# KiCad board 32.kicad_pcb
title: 32; date: 2022-01-06; rev: 0.1; company: <3
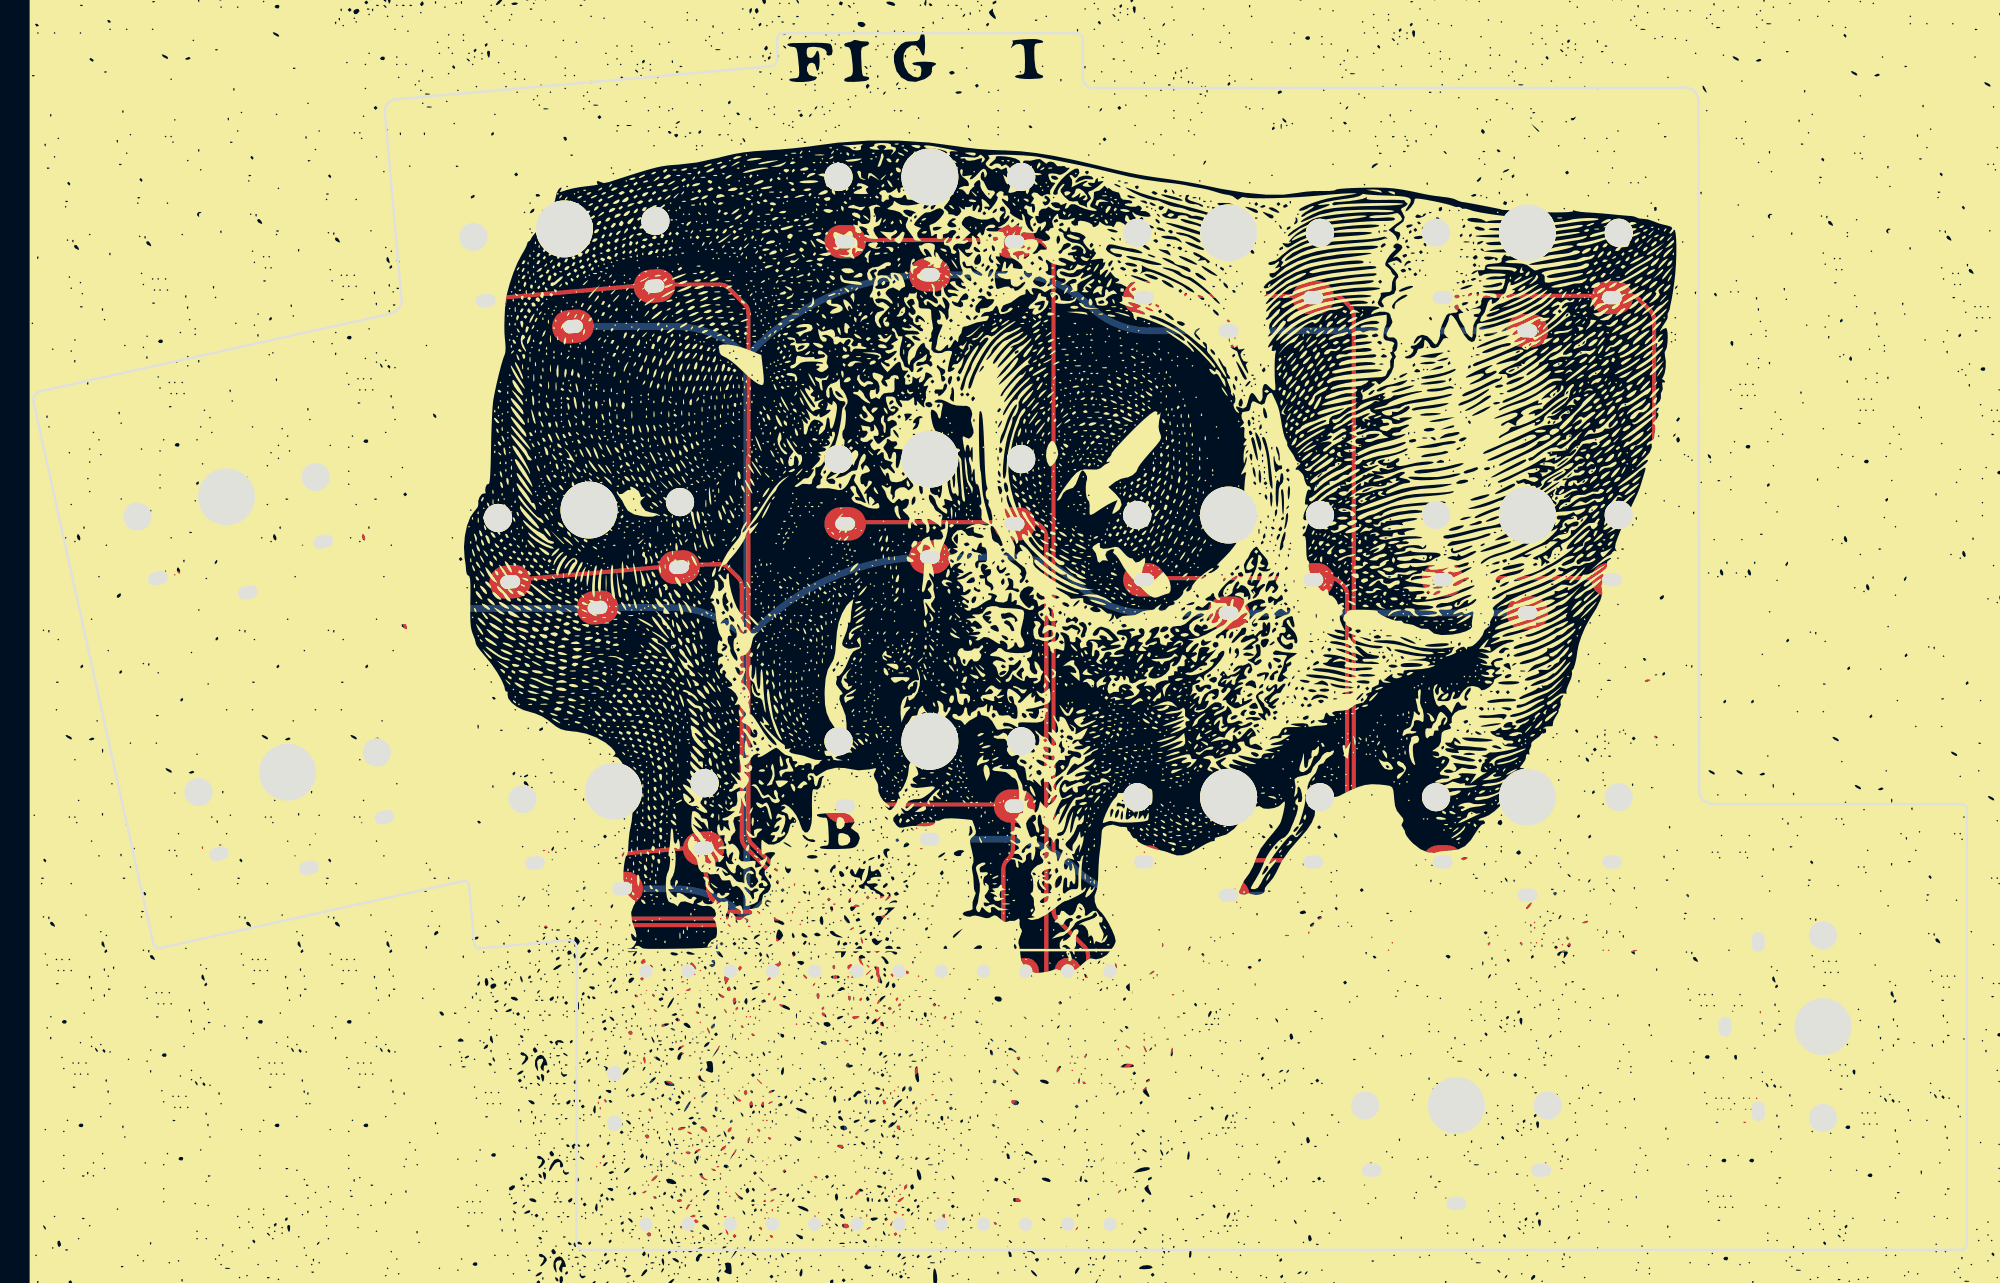
[diagram p0: board, top side]
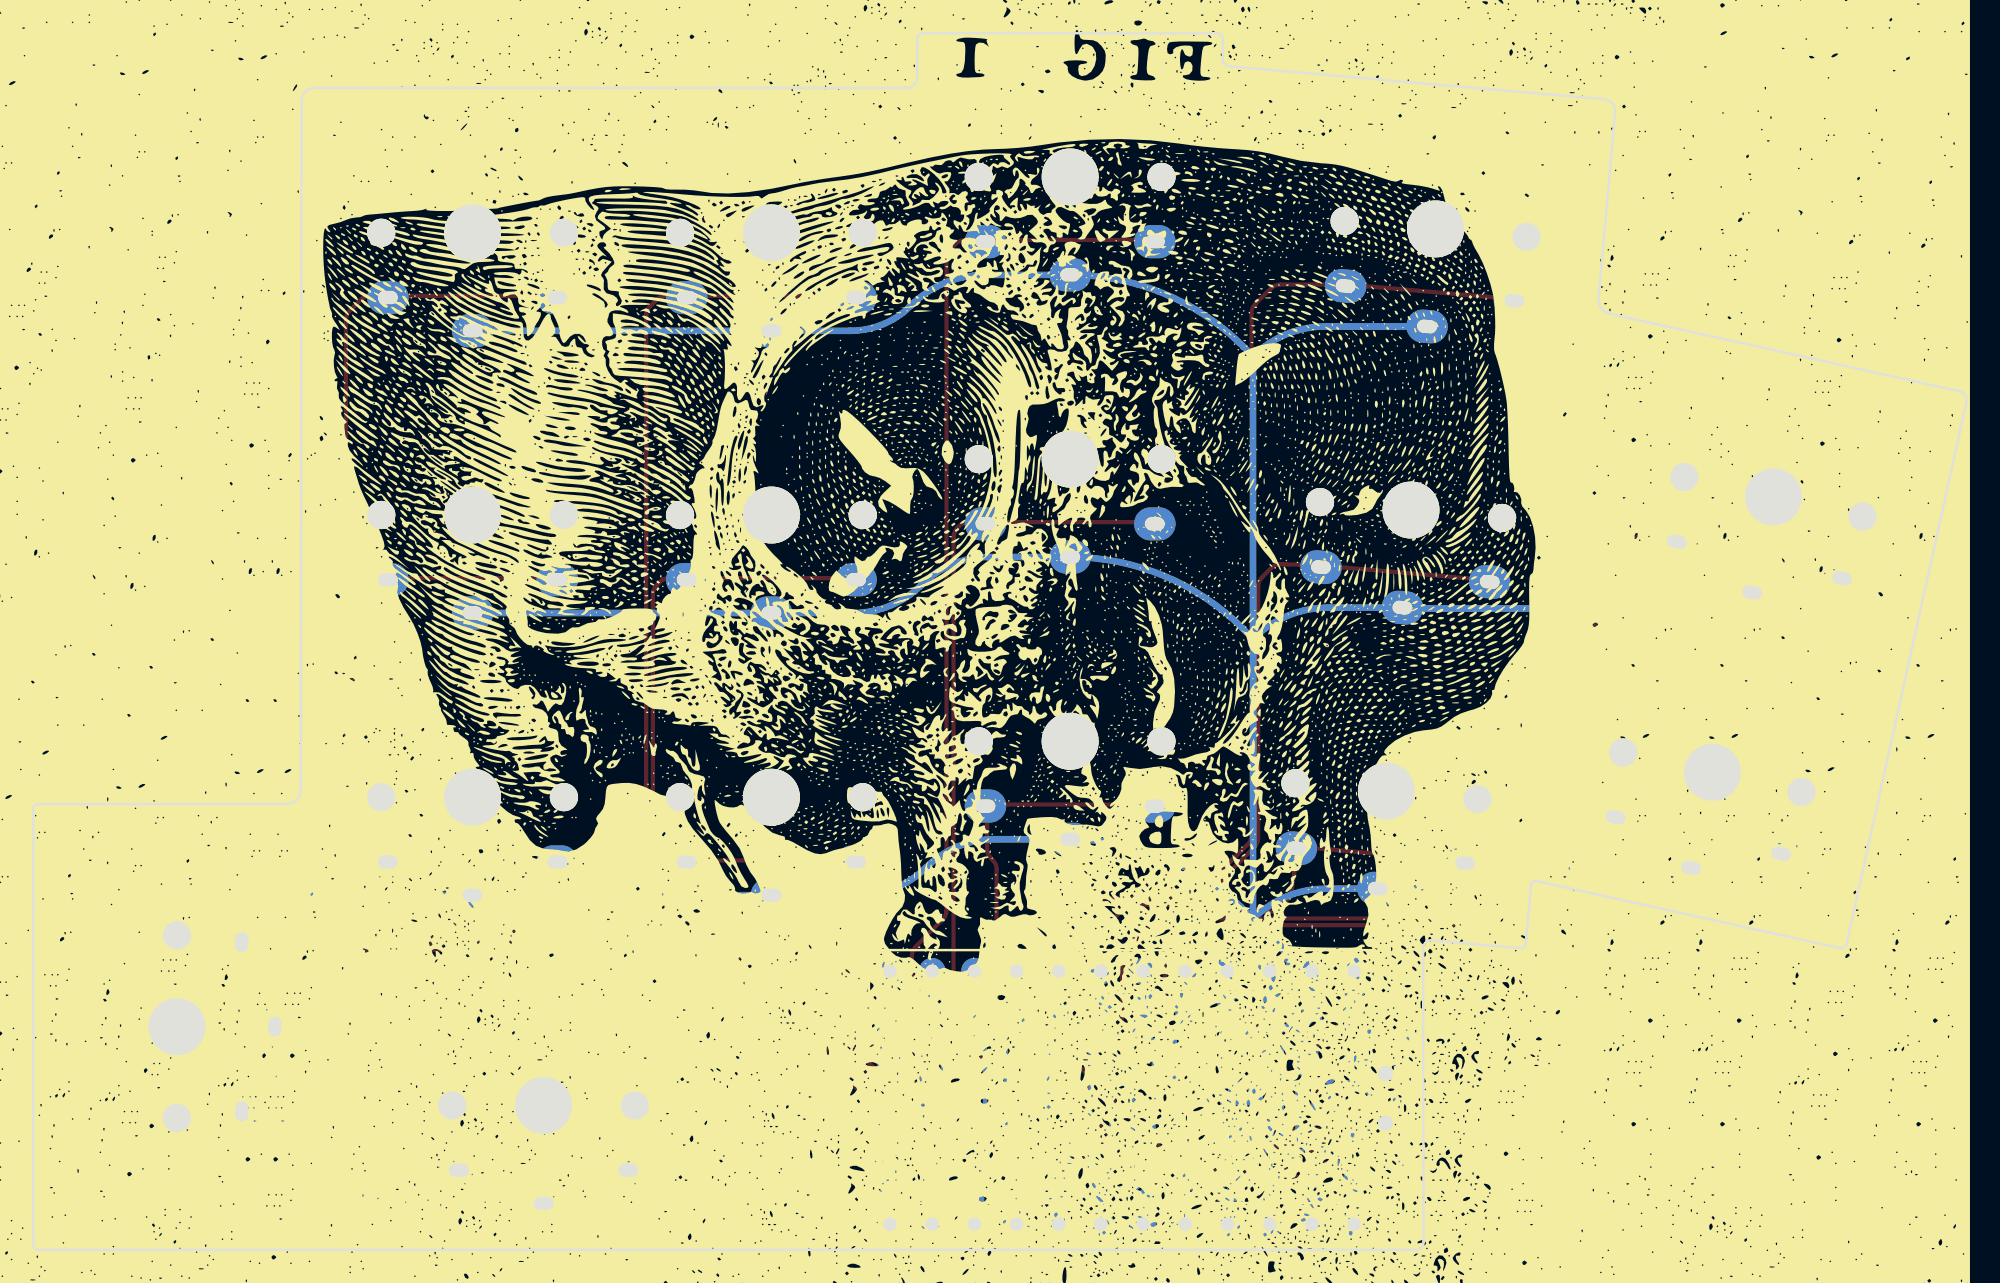
[diagram p1: board, bottom side, seen from below]

Outline 116.43 x 73.29 mm; copper layers: Top, Bottom. Coordinates in mm from the lower left corner of the outline.
Outline path: 0,51.17 arc(0.11,51.51) 0.4,51.71 21.48,56.39 arc(21.94,56.64) 22.19,57.1 21.18,68.5 arc(21.35,69.07) 21.89,69.32 44.35,71.29 arc(44.66,71.42) 44.8,71.74 44.8,72.94 arc(44.92,73.2) 45.2,73.29 62.9,73.29 arc(63.11,73.17) 63.2,72.94 63.2,70.64 arc(63.34,70.21) 63.75,69.99 99.43,70 arc(100.03,69.78) 100.27,69.19 100.31,27.74 arc(100.57,27.1) 101.21,26.85 116.15,26.85 arc(116.33,26.77) 116.43,26.59 116.43,0.33 arc(116.34,0.1) 116.12,0 33.17,0 arc(32.82,0.15) 32.71,0.51 32.73,18.21 arc(32.53,18.55) 32.15,18.64 26.87,18.16 arc(26.66,18.22) 26.56,18.42 26.23,22 arc(26.08,22.19) 25.82,22.2 7.69,18.19 arc(7.44,18.21) 7.25,18.37 0,51.17
Stack: Top 0.035mm / dielectric 1.51mm FR4 er 4.5 / Bottom 0.035mm

## Placement (name value [footprint] x y rotation side)
BT1  Battery_Cell  [Battery_pads_reversible]  43.43 8.35 270 top
G***  -  [LOGO]  62.39 41.5 0 top
G***#2  -  [LOGO]  62.53 41.58 180 bottom
PSW1  SW_SPDT  [Power_reversible]  35 9.12 270 top
SW1  SW_PUSH  [Choc_reversible]  11.64 45.36 12.5 top
SW2  SW_PUSH  [Choc_reversible]  31.98 61.5 5 top
SW3  SW_PUSH  [Choc_reversible]  53.99 64.63 0 top
SW4  SW_PUSH  [Choc_reversible]  71.98 61.26 0 top
SW5  SW_PUSH  [Choc_reversible]  89.97 61.27 0 top
SW6  SW_PUSH  [Choc_reversible]  15.32 28.77 12.5 top
SW7  SW_PUSH  [Choc_reversible]  33.47 44.57 5 top
SW8  SW_PUSH  [Choc_reversible]  53.99 47.63 0 top
SW9  SW_PUSH  [Choc_reversible]  71.98 44.26 0 top
SW10  SW_PUSH  [Choc_reversible]  89.97 44.27 0 top
SW11  SW_PUSH  [Choc_reversible]  34.95 27.63 5 top
SW12  SW_PUSH  [Choc_reversible]  53.99 30.63 0 top
SW13  SW_PUSH  [Choc_reversible]  71.98 27.26 0 top
SW14  SW_PUSH  [Choc_reversible]  89.97 27.27 0 top
SW15  SW_PUSH  [Choc_reversible_15u]  85.7 8.69 0 top
SW16  SW_PUSH  [Choc_reversible_15u]  107.77 13.44 270 top
U1  ProMicro  [ProMicro_jumpers]  50.87 9.17 90 top

## Library data of the parts
BT1 = -: Field4: BT01
PSW1 = -: Field4: SW01

## Footprints (pads in the part's own frame, mm; a bottom-side part is the same pattern mirrored in y, then rotated)
Battery_pads_reversible
  rect 1.5x2.1 smd: 1(-1.1,0) 2(1.1,0)
  rect 1.5x2.1 smd far side: 1(-1.1,0) 2(1.1,0)
Choc_reversible
  round 1.702 hole 1.702 unplated: (-5.5,0) (5.5,0)
  round 3.429 hole 3.429 unplated: (0,0)
  oval 2.5x2 hole 1.2x0.8: 1(-5.1,-3.9) 1(5.1,-3.9) 2(0,-5.9)
Choc_reversible_15u
  round 1.702 hole 1.702 unplated: (-5.5,0) (5.5,0)
  round 3.429 hole 3.429 unplated: (0,0)
  oval 2.5x2 hole 1.2x0.8: 1(-5.1,-3.9) 1(5.1,-3.9) 2(0,-5.9)
Power_reversible
  rect 1x0.8 smd: (-3.65,1.1) (-3.65,-1.1) (3.65,1.1) (3.65,-1.1)
  rect 1x0.8 smd far side: (-3.65,1.1) (-3.65,-1.1) (3.65,1.1) (3.65,-1.1)
  round 0.9 hole 0.9 unplated: (-1.5,0) (-1.5,0) (1.5,0) (1.5,0)
  rect 0.7x1.5 smd: 1(-2.25,1.75) 2(0.75,1.75) 3(2.25,1.75)
  rect 0.7x1.5 smd far side: 1(2.25,1.75) 2(-0.75,1.75) 3(-2.25,1.75)
ProMicro_jumpers
  round 1.6 hole 0.813: (-7.62,13.97) (-7.62,11.43) (-7.62,8.89) (-7.62,6.35) (-7.62,3.81) (-7.62,1.27) (-7.62,-1.27) (-7.62,-3.81) (-7.62,-6.35) (-7.62,-8.89) (-7.62,-11.43) (-7.62,-13.97) (7.62,13.97) (7.62,11.43) (7.62,8.89) (7.62,6.35) (7.62,3.81) (7.62,1.27) (7.62,-1.27) (7.62,-3.81) (7.62,-6.35) (7.62,-8.89) (7.62,-11.43) (7.62,-13.97)
  custom 1x0.25 smd: (-6.35,13.97) (-6.35,11.43) (-6.35,8.89) (-6.35,6.35) (-6.35,3.81) (-6.35,1.27) (-6.35,-1.27) (-6.35,-3.81) (-6.35,-6.35) (-6.35,-8.89) (-6.35,-11.43) (-6.35,-13.97) (6.35,13.97) (6.35,11.43) (6.35,8.89) (6.35,6.35) (6.35,3.81) (6.35,1.27) (6.35,-1.27) (6.35,-3.81) (6.35,-6.35) (6.35,-8.89) (6.35,-11.43) (6.35,-13.97)
  custom 1x0.25 smd far side: (-6.35,13.97) (-6.35,11.43) (-6.35,8.89) (-6.35,6.35) (-6.35,3.81) (-6.35,1.27) (-6.35,-1.27) (-6.35,-3.81) (-6.35,-6.35) (-6.35,-8.89) (-6.35,-11.43) (-6.35,-13.97) (6.35,13.97) (6.35,11.43) (6.35,8.89) (6.35,6.35) (6.35,3.81) (6.35,1.27) (6.35,-1.27) (6.35,-3.81) (6.35,-6.35) (6.35,-8.89) (6.35,-11.43) (6.35,-13.97)
  custom 0.8x1.2 smd: (-5.842,13.97) (-5.842,11.43) (-5.842,8.89) (-5.842,6.35) (-5.842,3.81) (-5.842,1.27) (-5.842,-1.27) (-5.842,-3.81) (-5.842,-6.35) (-5.842,-8.89) (-5.842,-11.43) (-5.842,-13.97) (5.842,13.97) (5.842,11.43) (5.842,8.89) (5.842,6.35) (5.842,3.81) (5.842,1.27) (5.842,-1.27) (5.842,-3.81) (5.842,-6.35) (5.842,-8.89) (5.842,-11.43) (5.842,-13.97)
  custom 0.8x1.2 smd far side: (-5.842,13.97) (-5.842,11.43) (-5.842,8.89) (-5.842,6.35) (-5.842,3.81) (-5.842,1.27) (-5.842,-1.27) (-5.842,-3.81) (-5.842,-6.35) (-5.842,-8.89) (-5.842,-11.43) (-5.842,-13.97) (5.842,13.97) (5.842,11.43) (5.842,8.89) (5.842,6.35) (5.842,3.81) (5.842,1.27) (5.842,-1.27) (5.842,-3.81) (5.842,-6.35) (5.842,-8.89) (5.842,-11.43) (5.842,-13.97)
  custom 1.25x1.2 smd far side: 1(-4.826,13.97) 2(-4.826,11.43) 3(-4.826,8.89) 4(-4.826,6.35) 5(-4.826,3.81) 6(-4.826,1.27) 7(-4.826,-1.27) 8(-4.826,-3.81) 9(-4.826,-6.35) 10(-4.826,-8.89) 11(-4.826,-11.43) 12(-4.826,-13.97) 13(4.826,-13.97) 14(4.826,-11.43) 15(4.826,-8.89) 16(4.826,-6.35) 17(4.826,-3.81) 18(4.826,-1.27) 19(4.826,1.27) 20(4.826,3.81) 21(4.826,6.35) 22(4.826,8.89) 23(4.826,11.43) 24(4.826,13.97)
  custom 1.25x1.2 smd: 1(4.826,13.97) 2(4.826,11.43) 3(4.826,8.89) 4(4.826,6.35) 5(4.826,3.81) 6(4.826,1.27) 7(4.826,-1.27) 8(4.826,-3.81) 9(4.826,-6.35) 10(4.826,-8.89) 11(4.826,-11.43) 12(4.826,-13.97) 13(-4.826,-13.97) 14(-4.826,-11.43) 15(-4.826,-8.89) 16(-4.826,-6.35) 17(-4.826,-3.81) 18(-4.826,-1.27) 19(-4.826,1.27) 20(-4.826,3.81) 21(-4.826,6.35) 22(-4.826,8.89) 23(-4.826,11.43) 24(-4.826,13.97)

## Nets
GND: PSW1.2 SW1.2 SW2.2 SW3.2 SW4.2 SW5.2 SW6.2 SW7.2 SW8.2 SW9.2 SW10.2 SW11.2 SW12.2 SW13.2 SW14.2 SW15.2 SW16.2 U1.3 U1.4 U1.23
VCC: U1.21
raw: BT1.1 U1.24
switch1: SW1.1 U1.6
switch2: SW2.1 U1.9
switch3: SW3.1 U1.12
switch4: SW4.1 U1.18
switch5: SW5.1 U1.15
switch6: SW6.1 U1.5
switch7: SW7.1 U1.8
switch8: SW8.1 U1.11
switch9: SW9.1 U1.19
switch10: SW10.1 U1.16
switch11: SW11.1 U1.7
switch12: SW12.1 U1.10
switch13: SW13.1 U1.20
switch14: SW14.1 U1.17
switch15: SW15.1 U1.13
switch16: SW16.1 U1.14
Net-(BT1-Pad2): BT1.2 PSW1.1

Pads without a net: PSW1 3; U1 1 2 22

## Via types
v1: diameter 0.8, hole 0.4, Top to Bottom, 29 vias

## Routing (per net, layer and track width the routed paths; a pad name or vN(x,y) marks a point on that pad's centre or on a via; arc(x,y) is an arc through that point)
GND: length 332.4
  Top w0.4: v1(35.6,9.12) 36.21,8.52 arc(36.37,8.41) 36.56,8.37 PSW1.2 37.05,8.37 arc(37.24,8.34) 37.4,8.23 38.32,7.31 arc(38.49,7.2) 38.68,7.16 40.4,7.16 arc(40.59,7.12) 40.75,7.01 v1(41.98,5.79) 40.62,4.44 arc(40.46,4.33) 40.27,4.29 39.44,4.29 ; 44.52,13.94 41.98,13.94 42.04,13.94 arc(42.2,13.91) 42.34,13.84 43.02,13.16 v1(43.02,13)
  Bottom w0.4: 42.97,19.94 41.47,18.44 arc(40.91,17.6) 40.71,16.6 40.71,13.61 ; 42.97,19.94 43.36,20.33 arc(48.24,23.59) SW12.2 58.55,24.73 arc(60.78,24.29) 62.67,23.03 arc(64.48,21.81) 66.62,21.39 71.96,21.39 SW13.2 89.97,21.36 SW14.2 99.53,21.37 arc(100.4,21.2) 101.13,20.7 arc(101.68,19.89) 101.87,18.92 SW16.2 101.87,9.82 arc(101.36,7.27) 99.92,5.11 arc(97.35,3.39) 94.33,2.79 SW15.2 ; 42.97,19.94 42.97,36.8 ; 42.97,19.94 arc(40.96,21.28) 38.59,21.75 SW11.2 35.45,21.74 28.39,21.74 arc(27.66,21.89) 27.04,22.3 arc(26.26,22.82) 25.34,23.01 SW6.2 ; 44.52,4.29 42.48,4.29 arc(42.12,4.44) 41.98,4.79 v1(41.98,5.79) 41.9,5.86 41.9,10.93 arc(42.02,11.5) 42.34,11.99 43.02,12.67 v1(43.02,13) 43.02,13.12 42.93,13.21 arc(42.86,13.23) 42.79,13.24 41.5,13.24 arc(41.12,13.32) 40.79,13.53 40.71,13.61 ; 39.44,13.94 39.99,13.39 arc(40.12,13.29) 40.28,13.24 40.34,13.24 40.71,13.61 ; SW2.2 38.62,55.62 arc(40.98,55.16) 42.97,53.82 ; 42.97,36.8 43.59,37.42 arc(48.36,40.61) SW8.2 58.92,41.73 arc(61.08,41.3) 62.91,40.08 arc(64.81,38.81) 67.05,38.36 SW9.2 89.97,38.36 SW10.2 ; 42.97,36.8 42.97,53.82 ; 42.97,36.8 arc(40.88,38.2) 38.42,38.69 SW7.2 33.93,38.63 22.24,38.63 arc(21.52,38.78) 20.9,39.19 arc(20.44,39.5) 19.9,39.6 SW1.2 ; 42.97,53.82 43.56,54.41 arc(48.34,57.61) SW3.2 59.09,58.73 arc(61.53,58.25) 63.6,56.87 arc(65.26,55.75) 67.23,55.36 SW4.2 89.97,55.36 SW5.2 ; v1(35.6,9.12) 36.21,9.73 arc(36.37,9.84) 36.56,9.87 PSW1.2
VCC: length 10.6
  Top w0.4: v1(45.79,7.29) 45.76,7.27 arc(45.65,7.1) 45.62,6.91 45.62,5.6 arc(45.58,5.41) 45.47,5.24 44.52,4.29
  Bottom w0.4: 44.52,13.94 45.47,12.98 arc(45.58,12.82) 45.62,12.63 45.62,7.66 arc(45.66,7.47) 45.77,7.31 v1(45.79,7.29)
raw: length 17.4
  Top w0.4: v1(40.07,6.29) 39.86,6.29 38.3,4.73 arc(37.81,4.4) 37.24,4.29 36.9,4.29 ; v1(43.43,9.45) 41.78,9.45 arc(41.2,9.57) 40.72,9.89 v1(40.25,10.36)
  Bottom w0.4: 36.9,13.94 37.51,13.32 arc(37.68,13.21) 37.87,13.18 39.13,13.18 arc(39.32,13.14) 39.48,13.03 40.09,12.42 arc(40.2,12.26) 40.23,12.07 40.23,6.66 arc(40.2,6.47) 40.09,6.31 v1(40.07,6.29)
switch1: length 73.1
  Top w0.25: 49.6,13.94 49.6,13.78 arc(49.56,13.59) 49.45,13.43 v1(48.96,12.94) 48.51,13.39 arc(48.34,13.65) 48.28,13.95 48.28,17.14 arc(48.22,17.45) 48.04,17.71 46.03,19.72 arc(45.77,19.9) 45.46,19.96 29.38,19.96 arc(29.08,20.02) 28.82,20.19 27.47,21.54 arc(27.3,21.8) 27.24,22.1 27.24,23.42 arc(27.18,23.73) 27.01,23.99 20.86,42.23 arc(20.69,42.52) 20.41,42.71 19.64,43.03 arc(19.4,43.09) 19.14,43.07 SW1.1 SW1.1
  Bottom w0.25: v1(48.96,12.94) 48.96,5.79 48.96,5.13 arc(49,4.94) 49.11,4.78 49.6,4.29
switch2: length 79.2
  Top w0.25: 27.33,57.28 37.3,58.15 41.33,58.15 arc(41.64,58.09) 41.9,57.92 42.84,56.98 arc(43.01,56.72) 43.07,56.41 43.07,47.75 43.06,47.75 43.06,24.99 arc(43.13,24.68) 43.3,24.42 46.31,21.41 arc(46.57,21.24) 46.88,21.18 52.35,21.18 arc(52.65,21.12) 52.91,20.94 55.64,18.22 arc(55.81,17.96) 55.87,17.65 55.87,13.98 arc(55.93,13.67) 56.11,13.41 v1(56.58,12.94) 57.07,13.43 arc(57.18,13.59) 57.22,13.78 57.22,13.94
  Bottom w0.25: 57.22,4.29 56.73,4.78 arc(56.62,4.94) 56.58,5.13 v1(56.58,12.94)
switch3: length 71
  Top w0.25: 48.99,60.83 60.32,60.83 arc(60.62,60.77) 60.88,60.6 61.2,60.28 arc(61.37,60.02) 61.44,59.71 61.44,20.45 arc(61.5,20.14) 61.67,19.88 63.28,18.27 arc(63.46,18.01) 63.52,17.7 63.52,13.84 arc(63.58,13.53) 63.75,13.27 v1(64.13,12.9) 64.6,13.37 arc(64.77,13.63) 64.84,13.94 64.84,13.94
  Bottom w0.25: 64.84,4.29 64.4,4.72 arc(64.29,4.89) 64.25,5.08 64.25,12.77 v1(64.13,12.9)
switch4: length 93.5
  Top w0.25: 66.98,57.46 78.32,57.46 78.39,57.46 78.55,57.43 78.69,57.37 78.83,57.28 78.88,57.23 79.28,56.83 79.33,56.78 79.42,56.64 79.48,56.5 79.51,56.35 79.51,56.27 79.51,22.61 79.51,21.65 79.51,21.57 79.48,21.42 79.42,21.27 79.33,21.14 79.28,21.08 76.48,18.28 76.42,18.23 76.29,18.14 76.15,18.08 75.99,18.05 75.91,18.05 69,18.05 arc(68.69,17.99) 68.44,17.81 67.23,16.6 arc(67.05,16.34) 66.99,16.04 66.99,12.95 arc(66.95,12.73) 66.82,12.53 65.35,11.07 65.3,11.01 65.17,10.93 65.02,10.87 64.87,10.84 64.79,10.83 58.65,10.83 58.57,10.83 58.41,10.8 58.27,10.74 58.14,10.65 58.08,10.6 v1(52.77,5.29) 52.28,4.8 arc(52.17,4.64) 52.14,4.45 52.14,4.29
  Bottom w0.25: 52.14,13.94 52.62,13.45 arc(52.73,13.29) 52.77,13.1 v1(52.77,5.29)
switch5: length 103.4
  Top w0.25: 84.97,57.47 96.14,57.47 96.22,57.46 96.38,57.43 96.52,57.37 96.65,57.29 96.71,57.23 97.36,56.58 97.42,56.52 97.51,56.39 97.57,56.25 97.6,56.09 97.6,56.01 97.6,22.54 97.6,22.46 97.57,22.3 97.51,22.16 97.42,22.03 97.36,21.97 94.49,19.1 94.43,19.04 94.3,18.96 94.16,18.9 94,18.87 93.92,18.86 79.09,18.86 79.01,18.86 78.85,18.83 78.71,18.77 78.58,18.68 78.52,18.63 76.98,17.08 76.92,17.03 76.79,16.94 76.64,16.88 76.49,16.85 76.41,16.85 69.5,16.85 arc(69.19,16.79) 68.93,16.61 68.45,16.13 arc(68.28,15.88) 68.22,15.57 68.22,12.57 arc(68.16,12.26) 67.98,12 65.85,9.87 65.79,9.82 65.66,9.73 65.52,9.67 65.36,9.64 65.28,9.64 65.07,9.64 64.99,9.63 64.83,9.6 64.69,9.54 64.56,9.46 64.5,9.4 v1(60.39,5.29) 59.9,4.8 arc(59.79,4.64) 59.76,4.45 59.76,4.29
  Bottom w0.25: v1(60.39,5.29) 60.39,13.1 arc(60.35,13.29) 60.24,13.45 59.76,13.94
switch6: length 54.6
  Top w0.25: 47.06,13.94 47.06,13.78 arc(47.02,13.59) 46.91,13.43 v1(46.42,12.94) 46.02,13.34 arc(45.85,13.6) 45.79,13.9 45.79,17.25 arc(45.73,17.55) 45.55,17.81 44.04,19.32 arc(43.78,19.5) 43.48,19.56 29.22,19.56 arc(28.91,19.62) 28.65,19.79 27.08,21.37 arc(26.9,21.63) 26.84,21.94 26.84,23.25 arc(26.78,23.56) 26.61,23.82 24.04,26.39 arc(23.71,26.59) 23.32,26.6 SW6.1 SW6.1
  Bottom w0.25: 47.06,4.29 46.88,4.46 arc(46.78,4.62) 46.74,4.81 46.74,12.42 arc(46.7,12.61) 46.59,12.77 v1(46.42,12.94)
switch7: length 58.7
  Top w0.25: 54.68,13.94 54.68,13.78 arc(54.64,13.59) 54.53,13.43 v1(54.04,12.94) 53.62,13.36 arc(53.44,13.62) 53.38,13.93 53.38,17.6 arc(53.32,17.91) 53.15,18.17 50.77,20.54 arc(50.51,20.72) 50.21,20.78 46.71,20.78 arc(46.4,20.84) 46.14,21.01 42.9,24.26 arc(42.73,24.52) 42.66,24.82 42.66,39.95 arc(42.6,40.26) 42.43,40.52 41.88,41.07 arc(41.62,41.24) 41.32,41.3 40.98,41.3 arc(40.96,41.3) 40.95,41.3 38.78,41.22 28.82,40.34
  Bottom w0.25: 54.68,4.29 54.19,4.78 arc(54.08,4.94) 54.04,5.13 v1(54.04,12.94)
switch8: length 52.9
  Top w0.25: 48.99,43.83 60.1,43.83 arc(60.4,43.77) 60.66,43.6 60.77,43.49 arc(60.94,43.23) 61,42.92 61,13.93 arc(61.06,13.62) 61.24,13.36 v1(61.66,12.94) 62.15,13.43 arc(62.26,13.59) 62.3,13.78 62.3,13.94
  Bottom w0.25: v1(61.66,12.94) 61.66,5.13 arc(61.7,4.94) 61.81,4.78 62.3,4.29
switch9: length 78.4
  Top w0.25: 49.6,4.29 49.6,4.45 arc(49.63,4.64) 49.74,4.8 v1(50.23,5.29) 50.23,5.51 55.72,11 55.78,11.05 55.91,11.14 56.05,11.2 56.21,11.23 56.29,11.23 64.62,11.23 64.7,11.24 64.86,11.27 65,11.33 65.13,11.41 65.19,11.47 66.36,12.64 arc(66.53,12.9) 66.59,13.2 66.59,16.2 arc(66.65,16.51) 66.83,16.77 68.27,18.21 arc(68.53,18.39) 68.84,18.45 75.75,18.45 75.83,18.45 75.98,18.48 76.13,18.54 76.26,18.63 76.31,18.68 78.88,21.25 78.93,21.3 79.02,21.44 79.08,21.58 79.11,21.73 79.11,21.81 79.11,39.47 79.11,39.55 79.08,39.7 79.02,39.85 78.93,39.98 78.88,40.04 78.69,40.23 78.63,40.28 78.5,40.37 78.35,40.43 78.2,40.46 78.12,40.46 66.98,40.46
  Bottom w0.25: v1(50.23,5.29) 50.23,13.1 arc(50.19,13.29) 50.08,13.45 49.6,13.94
switch10: length 88.2
  Top w0.25: 84.97,40.47 96.15,40.47 96.23,40.46 96.38,40.43 96.53,40.37 96.66,40.29 96.72,40.23 96.96,39.99 97.02,39.93 97.11,39.8 97.17,39.65 97.2,39.5 97.2,39.42 97.2,22.7 97.2,22.62 97.17,22.47 97.11,22.32 97.02,22.19 96.96,22.14 94.33,19.5 94.27,19.44 94.14,19.36 93.99,19.3 93.84,19.26 93.76,19.26 78.92,19.26 78.84,19.26 78.69,19.23 78.54,19.17 78.41,19.08 78.36,19.03 76.81,17.48 76.75,17.43 76.62,17.34 76.48,17.28 76.32,17.25 76.24,17.25 69.33,17.25 arc(69.03,17.19) 68.77,17.01 68.05,16.29 arc(67.87,16.03) 67.81,15.73 67.81,12.73 arc(67.75,12.42) 67.58,12.16 65.68,10.27 65.63,10.21 65.5,10.13 65.35,10.07 65.2,10.04 65.12,10.04 62.93,10.04 62.85,10.03 62.69,10 62.55,9.94 62.42,9.86 62.36,9.8 v1(57.85,5.29) 57.36,4.8 arc(57.25,4.64) 57.22,4.45 57.22,4.29
  Bottom w0.25: 57.22,13.94 57.7,13.45 arc(57.81,13.29) 57.85,13.1 v1(57.85,5.29)
switch11: length 39.7
  Top w0.25: 30.3,23.41 40.26,24.28 40.67,21.57 arc(40.75,21.33) 40.89,21.12 41.43,20.59 arc(41.69,20.42) 41.99,20.36 47.91,20.36 arc(48.22,20.3) 48.48,20.12 50.63,17.96 arc(50.81,17.7) 50.87,17.4 50.87,13.9 arc(50.93,13.6) 51.1,13.34 v1(51.5,12.94) 51.99,13.43 arc(52.1,13.59) 52.14,13.78 52.14,13.94
  Bottom w0.25: 52.14,4.29 51.65,4.78 arc(51.54,4.94) 51.5,5.13 v1(51.5,12.94)
switch12: length 34.5
  Top w0.25: 48.99,26.83 58.99,26.83 58.99,24.15 arc(58.93,23.84) 58.76,23.58 58.65,23.48 arc(58.47,23.22) 58.41,22.91 58.41,13.98 arc(58.47,13.67) 58.65,13.41 v1(59.12,12.94) 59.61,13.43 arc(59.72,13.59) 59.76,13.78 59.76,13.94
  Bottom w0.25: 59.76,4.29 59.27,4.78 arc(59.16,4.94) 59.12,5.13 v1(59.12,12.94)
switch13: length 61
  Top w0.25: 47.06,4.29 47.06,4.45 arc(47.09,4.64) 47.2,4.8 v1(47.69,5.29) 53.8,11.4 53.86,11.45 53.99,11.54 54.13,11.6 54.29,11.63 54.37,11.63 64.46,11.63 64.54,11.63 64.69,11.67 64.84,11.73 64.97,11.81 65.02,11.87 65.95,12.8 arc(66.12,13.06) 66.19,13.36 66.19,16.36 arc(66.25,16.67) 66.42,16.93 68.1,18.61 arc(68.36,18.79) 68.67,18.85 75.74,18.85 75.78,18.85 75.86,18.86 75.94,18.89 76.01,18.94 76.03,18.97 76.74,19.68 arc(76.92,19.94) 76.98,20.24 76.98,23.46 66.98,23.46
  Bottom w0.25: v1(47.69,5.29) 47.69,13.1 arc(47.65,13.29) 47.54,13.45 47.06,13.94
switch14: length 70.8
  Top w0.25: 54.68,4.29 54.68,4.45 arc(54.71,4.64) 54.82,4.8 v1(55.31,5.29) 60.22,10.2 60.28,10.25 60.41,10.34 60.55,10.4 60.71,10.43 60.79,10.43 64.95,10.43 65.03,10.44 65.19,10.47 65.33,10.53 65.46,10.61 65.52,10.67 67.17,12.32 arc(67.34,12.58) 67.4,12.89 67.4,15.89 arc(67.47,16.19) 67.64,16.45 68.6,17.41 arc(68.86,17.59) 69.17,17.65 76.08,17.65 76.16,17.65 76.31,17.68 76.46,17.74 76.59,17.83 76.64,17.88 78.19,19.43 78.25,19.48 78.38,19.57 78.52,19.63 78.68,19.66 78.76,19.66 93.59,19.66 93.67,19.66 93.83,19.7 93.97,19.76 94.1,19.84 94.16,19.9 94.74,20.47 94.79,20.53 94.88,20.66 94.94,20.81 94.97,20.96 94.97,21.04 94.97,23.47 84.97,23.47
  Bottom w0.25: 54.68,13.94 55.16,13.45 arc(55.27,13.29) 55.31,13.1 v1(55.31,5.29)
switch15: length 80.7
  Top w0.25: 80.7,4.89 90.7,4.89 94.37,4.92 arc(94.68,4.99) 94.94,5.18 98.84,9.35 arc(99,9.6) 99.06,9.9 99.06,16.14 arc(99,16.45) 98.83,16.71 97.7,17.83 arc(97.44,18) 97.13,18.06 79.42,18.06 arc(79.11,18) 78.85,17.83 77.31,16.28 arc(77.05,16.11) 76.74,16.05 69.83,16.05 arc(69.52,15.99) 69.26,15.82 69.26,15.81 arc(69.08,15.55) 69.02,15.24 69.02,12.24 arc(68.96,11.94) 68.79,11.68 65.72,8.61 arc(65.55,8.35) 65.49,8.05 v1(65.49,5.15) 65.49,5.12 64.84,4.46 64.84,4.29
  Bottom w0.25: v1(65.49,5.15) 65.47,5.17 65.47,13.1 arc(65.43,13.29) 65.32,13.45 64.84,13.94
switch16: length 77.4
  Top w0.25: 103.97,18.44 103.97,8.44 100.93,8.43 100.85,8.43 100.7,8.47 100.56,8.53 100.42,8.61 100.37,8.67 99.69,9.34 99.64,9.4 99.55,9.53 99.49,9.67 99.46,9.83 99.46,9.91 99.46,16.31 99.46,16.38 99.43,16.54 99.37,16.68 99.28,16.81 99.22,16.87 97.87,18.23 97.81,18.28 97.68,18.37 97.53,18.43 97.38,18.46 97.3,18.46 79.25,18.46 79.17,18.46 79.02,18.43 78.87,18.37 78.74,18.28 78.69,18.23 77.14,16.68 77.08,16.63 76.95,16.54 76.81,16.48 76.65,16.45 76.65,16.45 69.66,16.45 arc(69.36,16.39) 69.1,16.22 68.86,15.98 arc(68.68,15.72) 68.62,15.41 68.62,12.41 arc(68.56,12.1) 68.39,11.84 63.16,6.62 63.11,6.56 63.02,6.43 62.96,6.29 62.93,6.13 62.93,6.05 v1(62.93,5.29) 62.44,4.8 arc(62.33,4.64) 62.3,4.45 62.3,4.29
  Bottom w0.25: v1(62.93,5.29) 62.93,13.1 arc(62.89,13.29) 62.78,13.45 62.3,13.94
Net-(BT1-Pad2): length 12.5
  Top w0.25: PSW1.1 37.24,11.37 arc(37.43,11.34) 37.59,11.23 v1(38.43,10.4) 41.33,7.49 arc(41.59,7.31) 41.9,7.25 BT1.2
  Bottom w0.25: PSW1.1 38.28,8.4 arc(38.39,8.56) 38.43,8.75 v1(38.43,10.4)
  vias: v1(43.43,7.18)
unconnected-(PSW1-Pad3): length 9
  Top w0.25: PSW1.3 34.88,6.87 arc(34.69,6.91) 34.53,7.02 34.35,7.2 arc(34.24,7.36) 34.2,7.55 v1(34.2,9.12)
  Bottom w0.25: PSW1.3 34.87,11.37 arc(34.67,11.34) 34.51,11.23 34.35,11.06 arc(34.24,10.9) 34.2,10.71 v1(34.2,9.12)
unconnected-(U1-Pad1): length 12
  Top w0.25: 36.9,13.94 37.23,13.94 arc(37.42,13.9) 37.58,13.79 v1(39.44,11.94)
  Bottom w0.25: v1(39.44,11.94) 39.35,11.85 39.35,6.95 arc(39.31,6.76) 39.2,6.59 36.9,4.29
unconnected-(U1-Pad2): length 11.4
  Top w0.25: 39.44,13.94 39.63,13.94 arc(39.82,13.9) 39.99,13.79 v1(41.34,12.44)
  Bottom w0.25: 39.44,4.29 41.1,5.96 arc(41.21,6.12) 41.25,6.31 41.25,12.35 v1(41.34,12.44)
unconnected-(U1-Pad22): length 13.1
  Top w0.25: v1(43.88,5.29) 43.03,4.44 arc(42.86,4.33) 42.67,4.29 41.98,4.29
  Bottom w0.25: v1(43.88,5.29) 44.59,6 arc(44.76,6.26) 44.82,6.56 44.82,11.82 arc(44.76,12.13) 44.59,12.38 43.03,13.94 41.98,13.94
